# KiCad board modulo_puente_h-panel.kicad_pcb (continued)
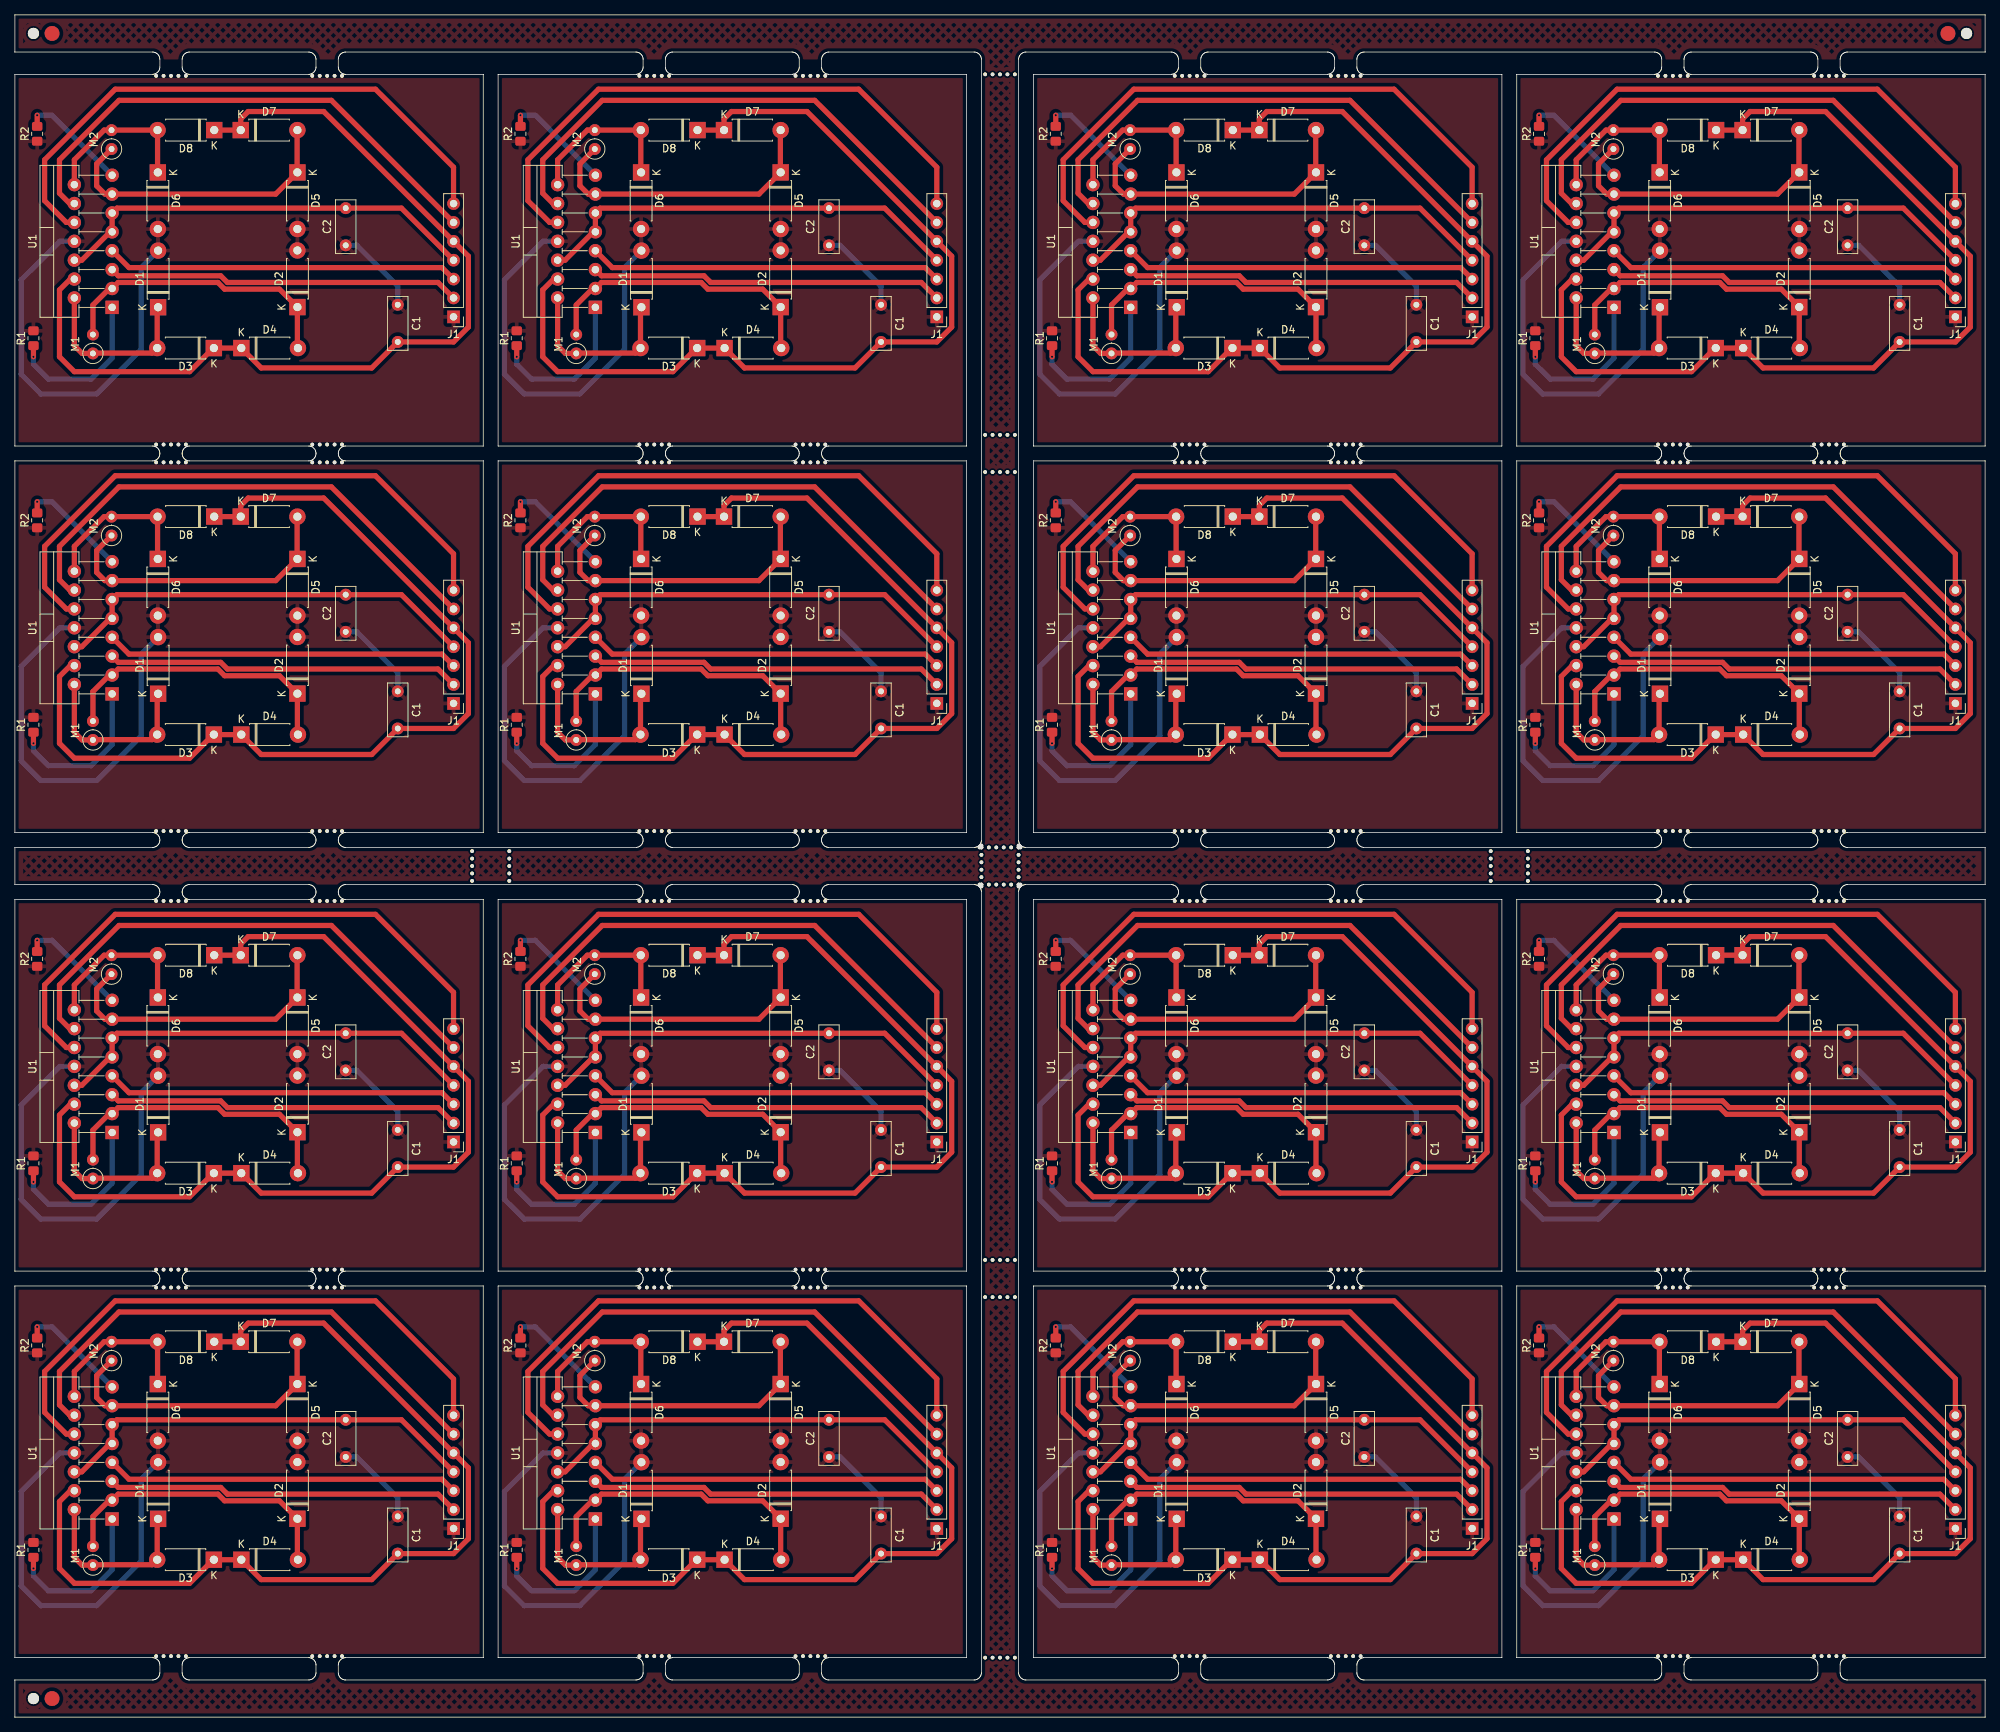
[diagram p0: board, top side]
## Routing (per net, layer and track width the routed paths; a pad name or vN(x,y) marks a point on that pad's centre or on a via; arc(x,y) is an arc through that point) (continued)
Board_1-+5V: length 58.3
  Top w0.7: J1#15.4 117,203 78.73,203 U1#10.11 U1#10.9 77.81,199.81 74,196 U1#10.6
Board_1-/Entrada 1 Motor A: length 47.6
  Top w0.7: U1#10.5 78.91,193.9 92.68,193.9 93.58,193 121.91,193 J1#15.2 123.91,191
Board_1-/Entrada 1 Motor B: length 79
  Top w0.7: U1#10.10 71.92,201.08 69,204 69,209.5 78.5,219 113.5,219 124,208.5 J1#15.7 123.88,203.5
Board_1-/Entrada 2 Motor A: length 47.5
  Top w0.7: U1#10.7 80.35,195 122.46,195 J1#15.3
Board_1-/Entrada 2 Motor B: length 70.2
  Top w0.7: J1#15.6 107.58,217.5 79,217.5 71,209.5 71,205 72.38,203.62 U1#10.12
Board_1-/Salida Regulador: length 125.8
  Top w0.7: U1#10.4 72.46,193.46 71,192 71,183 73,181 88.5,181 91.68,184.18 D3#9.1 D4#10.1 98.13,181.5 113,181.5 C1#12.2 124,185 126,187 126,196.54 J1#15.5 106.53,216 96.38,216 95.38,215 D7#11.1 D8.1
Board_1-GND: length 67.9
  Top w0.7: 123.88,188.5 J1#15.1
  Bottom w0.7: C1#12.1 116.5,192.5 111,198 C2#2.1 ; D1#5.2 82,195.03 82,184 76,178 68.5,178 65.85,180.65 65.85,193.35 71.04,198.54 U1#10.8
Board_1-Net-(D1-K): length 23.8
  Top w0.7: U1#10.2 73,184.5 74.04,183.46 M1#8.1 75.54,183.5 83.47,183.5 D3#9.2 84.15,189.55 D1#5.1
Board_1-Net-(D2-K): length 39.6
  Top w0.7: D4#10.2 103,184.25 D2#5.1 100.59,192.1 93.21,192.1 92.31,193 78.89,193 U1#10.3 77.72,192.19 75.5,189.97 M1#8.2
Board_1-Net-(D5-K): length 40.1
  Top w0.7: D7#11.2 102.96,213.46 102.96,207.77 100.08,204.89 U1#10.13 77.11,204.89 76,206 76,208.96 M2#16.1
Board_1-Net-(D6-K): length 21.9
  Top w0.7: U1#10.14 73,209.5 77,213.5 D8.2 84.19,207.85 D6#13.1
Board_1-Net-(U1-SENSE_A): length 21.9
  Top w0.7: v1(67.5,183) R1#3.1
  Bottom w0.7: U1#10.1 78.08,182.83 75.25,180 69.5,180 67.5,182 v1(67.5,183)
Board_1-Net-(U1-SENSE_B): length 14.9
  Top w0.7: v1(68,215.5) R2#2.2
  Bottom w0.7: v1(68,215.5) 70,215.5 78.07,207.43 U1#10.15
Board_2-+5V: length 58.3
  Top w0.7: U1#14.6 146,196 149.81,199.81 U1#14.9 U1#14.11 150.73,203 189,203 J1#10.4
Board_2-/Entrada 1 Motor A: length 47.6
  Top w0.7: U1#14.5 150.91,193.9 164.68,193.9 165.58,193 193.91,193 J1#10.2 195.91,191
Board_2-/Entrada 1 Motor B: length 79
  Top w0.7: U1#14.10 143.92,201.08 141,204 141,209.5 150.5,219 185.5,219 196,208.5 J1#10.7 195.88,203.5
Board_2-/Entrada 2 Motor A: length 47.5
  Top w0.7: U1#14.7 152.35,195 194.46,195 J1#10.3
Board_2-/Entrada 2 Motor B: length 70.2
  Top w0.7: J1#10.6 179.58,217.5 151,217.5 143,209.5 143,205 144.38,203.62 U1#14.12
Board_2-/Salida Regulador: length 125.8
  Top w0.7: U1#14.4 144.46,193.46 143,192 143,183 145,181 160.5,181 163.68,184.18 D3#2.1 D4#13.1 170.13,181.5 185,181.5 C1#4.2 196,185 198,187 198,196.54 J1#10.5 178.53,216 168.38,216 167.38,215 D7#8.1 D8#6.1
Board_2-GND: length 67.9
  Top w0.7: 195.88,188.5 J1#10.1
  Bottom w0.7: D1#15.2 154,195.03 154,184 148,178 140.5,178 137.85,180.65 137.85,193.35 143.04,198.54 U1#14.8 ; C1#4.1 188.5,192.5 183,198 C2#15.1
Board_2-Net-(D1-K): length 23.8
  Top w0.7: D1#15.1 156.15,189.55 D3#2.2 155.47,183.5 147.54,183.5 M1#12.1 146.04,183.46 145,184.5 U1#14.2
Board_2-Net-(D2-K): length 39.6
  Top w0.7: D4#13.2 175,184.25 D2#8.1 172.59,192.1 165.21,192.1 164.31,193 150.89,193 U1#14.3 149.72,192.19 147.5,189.97 M1#12.2
Board_2-Net-(D5-K): length 40.1
  Top w0.7: D7#8.2 174.96,213.46 174.96,207.77 172.08,204.89 U1#14.13 149.11,204.89 148,206 148,208.96 M2#8.1
Board_2-Net-(D6-K): length 21.9
  Top w0.7: U1#14.14 145,209.5 149,213.5 D8#6.2 156.19,207.85 D6#11.1
Board_2-Net-(U1-SENSE_A): length 21.9
  Top w0.7: v1(139.5,183) R1#5.1
  Bottom w0.7: U1#14.1 150.08,182.83 147.25,180 141.5,180 139.5,182 v1(139.5,183)
Board_2-Net-(U1-SENSE_B): length 14.9
  Top w0.7: v1(140,215.5) R2#16.2
  Bottom w0.7: U1#14.15 150.07,207.43 142,215.5 v1(140,215.5)
Board_3-+5V: length 58.3
  Top w0.7: U1#2.6 211,196 214.81,199.81 U1#2.9 U1#2.11 215.73,203 254,203 J1#7.4
Board_3-/Entrada 1 Motor A: length 47.6
  Top w0.7: U1#2.5 215.91,193.9 229.68,193.9 230.58,193 258.91,193 J1#7.2 260.91,191
Board_3-/Entrada 1 Motor B: length 79
  Top w0.7: U1#2.10 208.92,201.08 206,204 206,209.5 215.5,219 250.5,219 261,208.5 J1#7.7 260.88,203.5
Board_3-/Entrada 2 Motor A: length 47.5
  Top w0.7: J1#7.3 259.46,195 217.35,195 U1#2.7
Board_3-/Entrada 2 Motor B: length 70.2
  Top w0.7: U1#2.12 209.38,203.62 208,205 208,209.5 216,217.5 244.58,217.5 J1#7.6
Board_3-/Salida Regulador: length 125.8
  Top w0.7: D8#8.1 D7#15.1 232.38,215 233.38,216 243.53,216 J1#7.5 263,196.54 263,187 261,185 C1#8.2 250,181.5 235.13,181.5 D4#12.1 D3#15.1 228.68,184.18 225.5,181 210,181 208,183 208,192 209.46,193.46 U1#2.4
Board_3-GND: length 67.9
  Top w0.7: 260.88,188.5 J1#7.1
  Bottom w0.7: C1#8.1 253.5,192.5 248,198 C2#3.1 ; D1#4.2 219,195.03 219,184 213,178 205.5,178 202.85,180.65 202.85,193.35 208.04,198.54 U1#2.8
Board_3-Net-(D1-K): length 23.8
  Top w0.7: D1#4.1 221.15,189.55 D3#15.2 220.47,183.5 212.54,183.5 M1#7.1 211.04,183.46 210,184.5 U1#2.2
Board_3-Net-(D2-K): length 39.6
  Top w0.7: D4#12.2 240,184.25 D2#4.1 237.59,192.1 230.21,192.1 229.31,193 215.89,193 U1#2.3 214.72,192.19 212.5,189.97 M1#7.2
Board_3-Net-(D5-K): length 40.1
  Top w0.7: M2#7.1 213,208.96 213,206 214.11,204.89 U1#2.13 237.08,204.89 239.96,207.77 239.96,213.46 D7#15.2
Board_3-Net-(D6-K): length 21.9
  Top w0.7: D6#10.1 221.19,207.85 D8#8.2 214,213.5 210,209.5 U1#2.14
Board_3-Net-(U1-SENSE_A): length 21.9
  Top w0.7: v1(204.5,183) R1#9.1
  Bottom w0.7: U1#2.1 215.08,182.83 212.25,180 206.5,180 204.5,182 v1(204.5,183)
Board_3-Net-(U1-SENSE_B): length 14.9
  Top w0.7: v1(205,215.5) R2.2
  Bottom w0.7: v1(205,215.5) 207,215.5 215.07,207.43 U1#2.15
Board_4-+5V: length 58.3
  Top w0.7: U1#4.6 9,144 12.81,147.81 U1#4.9 U1#4.11 13.73,151 52,151 J1#9.4
Board_4-/Entrada 1 Motor A: length 47.6
  Top w0.7: U1#4.5 13.91,141.9 27.68,141.9 28.58,141 56.91,141 J1#9.2 58.91,139
Board_4-/Entrada 1 Motor B: length 79
  Top w0.7: U1#4.10 6.92,149.08 4,152 4,157.5 13.5,167 48.5,167 59,156.5 J1#9.7 58.88,151.5
Board_4-/Entrada 2 Motor A: length 47.5
  Top w0.7: U1#4.7 15.35,143 57.46,143 J1#9.3
Board_4-/Entrada 2 Motor B: length 70.2
  Top w0.7: J1#9.6 42.57,165.5 14,165.5 6,157.5 6,153 7.38,151.62 U1#4.12
Board_4-/Salida Regulador: length 125.8
  Top w0.7: D8#3.1 D7#3.1 30.38,163 31.38,164 41.54,164 J1#9.5 61,144.54 61,135 59,133 C1.2 48,129.5 33.13,129.5 D4#2.1 D3#11.1 26.68,132.18 23.5,129 8,129 6,131 6,140 7.46,141.46 U1#4.4
Board_4-GND: length 67.9
  Top w0.7: 58.88,136.5 J1#9.1
  Bottom w0.7: C2#16.1 46,146 51.5,140.5 C1.1 ; U1#4.8 6.04,146.54 0.85,141.35 0.85,128.65 3.5,126 11,126 17,132 17,143.03 D1#10.2
Board_4-Net-(D1-K): length 23.8
  Top w0.7: U1#4.2 8,132.5 9.05,131.46 M1#15.1 10.55,131.5 18.47,131.5 D3#11.2 19.15,137.55 D1#10.1
Board_4-Net-(D2-K): length 39.6
  Top w0.7: M1#15.2 10.5,137.97 12.72,140.19 U1#4.3 13.89,141 27.31,141 28.21,140.1 35.59,140.1 D2#9.1 38,132.25 D4#2.2
Board_4-Net-(D5-K): length 40.1
  Top w0.7: M2#11.1 11,156.96 11,154 12.11,152.89 U1#4.13 35.08,152.89 37.96,155.77 37.96,161.46 D7#3.2
Board_4-Net-(D6-K): length 21.9
  Top w0.7: U1#4.14 8,157.5 12,161.5 D8#3.2 19.19,155.85 D6#9.1
Board_4-Net-(U1-SENSE_A): length 21.9
  Top w0.7: v1(2.5,131) R1#4.1
  Bottom w0.7: v1(2.5,131) 2.5,130 4.5,128 10.25,128 13.08,130.83 U1#4.1
Board_4-Net-(U1-SENSE_B): length 14.9
  Top w0.7: v1(3,163.5) R2#13.2
  Bottom w0.7: U1#4.15 13.07,155.43 5,163.5 v1(3,163.5)
Board_5-+5V: length 58.3
  Top w0.7: U1#7.6 74,144 77.81,147.81 U1#7.9 U1#7.11 78.73,151 117,151 J1#16.4
Board_5-/Entrada 1 Motor A: length 47.6
  Top w0.7: U1#7.5 78.91,141.9 92.68,141.9 93.58,141 121.91,141 J1#16.2 123.91,139
Board_5-/Entrada 1 Motor B: length 79
  Top w0.7: 123.88,151.5 J1#16.7 124,156.5 113.5,167 78.5,167 69,157.5 69,152 71.92,149.08 U1#7.10
Board_5-/Entrada 2 Motor A: length 47.5
  Top w0.7: J1#16.3 122.46,143 80.35,143 U1#7.7
Board_5-/Entrada 2 Motor B: length 70.2
  Top w0.7: U1#7.12 72.38,151.62 71,153 71,157.5 79,165.5 107.58,165.5 J1#16.6
Board_5-/Salida Regulador: length 125.8
  Top w0.7: U1#7.4 72.46,141.46 71,140 71,131 73,129 88.5,129 91.68,132.18 D3#8.1 D4#4.1 98.13,129.5 113,129.5 C1#2.2 124,133 126,135 126,144.54 J1#16.5 106.53,164 96.38,164 95.38,163 D7.1 D8#2.1
Board_5-GND: length 67.9
  Top w0.7: 123.88,136.5 J1#16.1
  Bottom w0.7: U1#7.8 71.04,146.54 65.85,141.35 65.85,128.65 68.5,126 76,126 82,132 82,143.03 D1.2 ; C2#4.1 111,146 116.5,140.5 C1#2.1
Board_5-Net-(D1-K): length 23.8
  Top w0.7: U1#7.2 73,132.5 74.04,131.46 M1#13.1 75.54,131.5 83.47,131.5 D3#8.2 84.15,137.55 D1.1
Board_5-Net-(D2-K): length 39.6
  Top w0.7: D4#4.2 103,132.25 D2#14.1 100.59,140.1 93.21,140.1 92.31,141 78.89,141 U1#7.3 77.72,140.19 75.5,137.97 M1#13.2
Board_5-Net-(D5-K): length 40.1
  Top w0.7: D7.2 102.96,161.46 102.96,155.77 100.08,152.89 U1#7.13 77.11,152.89 76,154 76,156.96 M2#6.1
Board_5-Net-(D6-K): length 21.9
  Top w0.7: D6#7.1 84.19,155.85 D8#2.2 77,161.5 73,157.5 U1#7.14
Board_5-Net-(U1-SENSE_A): length 21.9
  Top w0.7: v1(67.5,131) R1#14.1
  Bottom w0.7: v1(67.5,131) 67.5,130 69.5,128 75.25,128 78.08,130.83 U1#7.1
Board_5-Net-(U1-SENSE_B): length 14.9
  Top w0.7: v1(68,163.5) R2#5.2
  Bottom w0.7: v1(68,163.5) 70,163.5 78.07,155.43 U1#7.15
Board_6-+5V: length 58.3
  Top w0.7: U1#13.6 146,144 149.81,147.81 U1#13.9 U1#13.11 150.73,151 189,151 J1#14.4
Board_6-/Entrada 1 Motor A: length 47.6
  Top w0.7: U1#13.5 150.91,141.9 164.68,141.9 165.58,141 193.91,141 J1#14.2 195.91,139
Board_6-/Entrada 1 Motor B: length 79
  Top w0.7: U1#13.10 143.92,149.08 141,152 141,157.5 150.5,167 185.5,167 196,156.5 J1#14.7 195.88,151.5
Board_6-/Entrada 2 Motor A: length 47.5
  Top w0.7: U1#13.7 152.35,143 194.46,143 J1#14.3
Board_6-/Entrada 2 Motor B: length 70.2
  Top w0.7: J1#14.6 179.58,165.5 151,165.5 143,157.5 143,153 144.38,151.62 U1#13.12
Board_6-/Salida Regulador: length 125.8
  Top w0.7: U1#13.4 144.46,141.46 143,140 143,131 145,129 160.5,129 163.68,132.18 D3#10.1 D4#14.1 170.13,129.5 185,129.5 C1#5.2 196,133 198,135 198,144.54 J1#14.5 178.53,164 168.38,164 167.38,163 D7#5.1 D8#7.1
Board_6-GND: length 67.9
  Top w0.7: 195.88,136.5 J1#14.1
  Bottom w0.7: D1#7.2 154,143.03 154,132 148,126 140.5,126 137.85,128.65 137.85,141.35 143.04,146.54 U1#13.8 ; C1#5.1 188.5,140.5 183,146 C2#8.1
Board_6-Net-(D1-K): length 23.8
  Top w0.7: D1#7.1 156.15,137.55 D3#10.2 155.47,131.5 147.54,131.5 M1#3.1 146.04,131.46 145,132.5 U1#13.2
Board_6-Net-(D2-K): length 39.6
  Top w0.7: M1#3.2 147.5,137.97 149.72,140.19 U1#13.3 150.89,141 164.31,141 165.21,140.1 172.59,140.1 D2#15.1 175,132.25 D4#14.2
Board_6-Net-(D5-K): length 40.1
  Top w0.7: D7#5.2 174.96,161.46 174.96,155.77 172.08,152.89 U1#13.13 149.11,152.89 148,154 148,156.96 M2#14.1
Board_6-Net-(D6-K): length 21.9
  Top w0.7: U1#13.14 145,157.5 149,161.5 D8#7.2 156.19,155.85 D6#2.1
Board_6-Net-(U1-SENSE_A): length 21.9
  Top w0.7: v1(139.5,131) R1#10.1
  Bottom w0.7: U1#13.1 150.08,130.83 147.25,128 141.5,128 139.5,130 v1(139.5,131)
Board_6-Net-(U1-SENSE_B): length 14.9
  Top w0.7: v1(140,163.5) R2#14.2
  Bottom w0.7: U1#13.15 150.07,155.43 142,163.5 v1(140,163.5)
Board_7-+5V: length 58.3
  Top w0.7: U1#12.6 211,144 214.81,147.81 U1#12.9 U1#12.11 215.73,151 254,151 J1#4.4
Board_7-/Entrada 1 Motor A: length 47.6
  Top w0.7: U1#12.5 215.91,141.9 229.68,141.9 230.58,141 258.91,141 J1#4.2 260.91,139
Board_7-/Entrada 1 Motor B: length 79
  Top w0.7: U1#12.10 208.92,149.08 206,152 206,157.5 215.5,167 250.5,167 261,156.5 J1#4.7 260.88,151.5
Board_7-/Entrada 2 Motor A: length 47.5
  Top w0.7: U1#12.7 217.35,143 259.46,143 J1#4.3
Board_7-/Entrada 2 Motor B: length 70.2
  Top w0.7: J1#4.6 244.58,165.5 216,165.5 208,157.5 208,153 209.38,151.62 U1#12.12
Board_7-/Salida Regulador: length 125.8
  Top w0.7: D8#4.1 D7#16.1 232.38,163 233.38,164 243.53,164 J1#4.5 263,144.54 263,135 261,133 C1#3.2 250,129.5 235.13,129.5 D4#8.1 D3.1 228.68,132.18 225.5,129 210,129 208,131 208,140 209.46,141.46 U1#12.4
Board_7-GND: length 67.9
  Top w0.7: 260.88,136.5 J1#4.1
  Bottom w0.7: C2#5.1 248,146 253.5,140.5 C1#3.1 ; D1#3.2 219,143.03 219,132 213,126 205.5,126 202.85,128.65 202.85,141.35 208.04,146.54 U1#12.8
Board_7-Net-(D1-K): length 23.8
  Top w0.7: D1#3.1 221.15,137.55 D3.2 220.47,131.5 212.54,131.5 M1#16.1 211.04,131.46 210,132.5 U1#12.2
Board_7-Net-(D2-K): length 39.6
  Top w0.7: D4#8.2 240,132.25 D2#6.1 237.59,140.1 230.21,140.1 229.31,141 215.89,141 U1#12.3 214.72,140.19 212.5,137.97 M1#16.2
Board_7-Net-(D5-K): length 40.1
  Top w0.7: D7#16.2 239.96,161.46 239.96,155.77 237.08,152.89 U1#12.13 214.11,152.89 213,154 213,156.96 M2#13.1
Board_7-Net-(D6-K): length 21.9
  Top w0.7: U1#12.14 210,157.5 214,161.5 D8#4.2 221.19,155.85 D6#12.1
Board_7-Net-(U1-SENSE_A): length 21.9
  Top w0.7: v1(204.5,131) R1#12.1
  Bottom w0.7: v1(204.5,131) 204.5,130 206.5,128 212.25,128 215.08,130.83 U1#12.1
Board_7-Net-(U1-SENSE_B): length 14.9
  Top w0.7: v1(205,163.5) R2#4.2
  Bottom w0.7: U1#12.15 215.07,155.43 207,163.5 v1(205,163.5)
Board_8-+5V: length 58.3
  Top w0.7: U1#9.6 9,85 12.81,88.81 U1#9.9 U1#9.11 13.73,92 52,92 J1.4
Board_8-/Entrada 1 Motor A: length 47.6
  Top w0.7: U1#9.5 13.91,82.9 27.68,82.9 28.58,82 56.91,82 J1.2 58.91,80
Board_8-/Entrada 1 Motor B: length 79
  Top w0.7: U1#9.10 6.92,90.08 4,93 4,98.5 13.5,108 48.5,108 59,97.5 J1.7 58.88,92.5
Board_8-/Entrada 2 Motor A: length 47.5
  Top w0.7: U1#9.7 15.35,84 57.46,84 J1.3
Board_8-/Entrada 2 Motor B: length 70.2
  Top w0.7: U1#9.12 7.38,92.62 6,94 6,98.5 14,106.5 42.57,106.5 J1.6
Board_8-/Salida Regulador: length 125.8
  Top w0.7: D8#13.1 D7#4.1 30.38,104 31.38,105 41.54,105 J1.5 61,85.54 61,76 59,74 C1#16.2 48,70.5 33.13,70.5 D4.1 D3#5.1 26.68,73.18 23.5,70 8,70 6,72 6,81 7.46,82.46 U1#9.4
Board_8-GND: length 67.9
  Top w0.7: 58.88,77.5 J1.1
  Bottom w0.7: D1#16.2 17,84.03 17,73 11,67 3.5,67 0.85,69.65 0.85,82.35 6.04,87.54 U1#9.8 ; C2#14.1 46,87 51.5,81.5 C1#16.1
Board_8-Net-(D1-K): length 23.8
  Top w0.7: U1#9.2 8,73.5 9.05,72.46 M1#6.1 10.55,72.5 18.47,72.5 D3#5.2 19.15,78.55 D1#16.1
Board_8-Net-(D2-K): length 39.6
  Top w0.7: D4.2 38,73.25 D2#3.1 35.59,81.1 28.21,81.1 27.31,82 13.89,82 U1#9.3 12.72,81.19 10.5,78.97 M1#6.2
Board_8-Net-(D5-K): length 40.1
  Top w0.7: D7#4.2 37.96,102.46 37.96,96.77 35.08,93.89 U1#9.13 12.11,93.89 11,95 11,97.96 M2#3.1
Board_8-Net-(D6-K): length 21.9
  Top w0.7: D6#14.1 19.19,96.85 D8#13.2 12,102.5 8,98.5 U1#9.14
Board_8-Net-(U1-SENSE_A): length 21.9
  Top w0.7: v1(2.5,72) R1#16.1
  Bottom w0.7: v1(2.5,72) 2.5,71 4.5,69 10.25,69 13.08,71.83 U1#9.1
Board_8-Net-(U1-SENSE_B): length 14.9
  Top w0.7: v1(3,104.5) R2#12.2
  Bottom w0.7: v1(3,104.5) 5,104.5 13.07,96.43 U1#9.15
Board_9-+5V: length 58.3
  Top w0.7: J1#5.4 117,92 78.73,92 U1#6.11 U1#6.9 77.81,88.81 74,85 U1#6.6
Board_9-/Entrada 1 Motor A: length 47.6
  Top w0.7: 123.91,80 J1#5.2 121.91,82 93.58,82 92.68,82.9 78.91,82.9 U1#6.5
Board_9-/Entrada 1 Motor B: length 79
  Top w0.7: 123.88,92.5 J1#5.7 124,97.5 113.5,108 78.5,108 69,98.5 69,93 71.92,90.08 U1#6.10
Board_9-/Entrada 2 Motor A: length 47.5
  Top w0.7: U1#6.7 80.35,84 122.46,84 J1#5.3
Board_9-/Entrada 2 Motor B: length 70.2
  Top w0.7: U1#6.12 72.38,92.62 71,94 71,98.5 79,106.5 107.58,106.5 J1#5.6
Board_9-/Salida Regulador: length 125.8
  Top w0.7: U1#6.4 72.46,82.46 71,81 71,72 73,70 88.5,70 91.68,73.18 D3#6.1 D4#11.1 98.13,70.5 113,70.5 C1#15.2 124,74 126,76 126,85.54 J1#5.5 106.53,105 96.38,105 95.38,104 D7#6.1 D8#16.1
Board_9-GND: length 67.9
  Top w0.7: 123.88,77.5 J1#5.1
  Bottom w0.7: U1#6.8 71.04,87.54 65.85,82.35 65.85,69.65 68.5,67 76,67 82,73 82,84.03 D1#13.2 ; C1#15.1 116.5,81.5 111,87 C2#10.1
Board_9-Net-(D1-K): length 23.8
  Top w0.7: D1#13.1 84.15,78.55 D3#6.2 83.47,72.5 75.54,72.5 M1#14.1 74.04,72.46 73,73.5 U1#6.2
Board_9-Net-(D2-K): length 39.6
  Top w0.7: M1#14.2 75.5,78.97 77.72,81.19 U1#6.3 78.89,82 92.31,82 93.21,81.1 100.59,81.1 D2#7.1 103,73.25 D4#11.2
Board_9-Net-(D5-K): length 40.1
  Top w0.7: M2#4.1 76,97.96 76,95 77.11,93.89 U1#6.13 100.08,93.89 102.96,96.77 102.96,102.46 D7#6.2
Board_9-Net-(D6-K): length 21.9
  Top w0.7: U1#6.14 73,98.5 77,102.5 D8#16.2 84.19,96.85 D6#5.1
Board_9-Net-(U1-SENSE_A): length 21.9
  Top w0.7: v1(67.5,72) R1#11.1
  Bottom w0.7: U1#6.1 78.08,71.83 75.25,69 69.5,69 67.5,71 v1(67.5,72)
Board_9-Net-(U1-SENSE_B): length 14.9
  Top w0.7: v1(68,104.5) R2#11.2
  Bottom w0.7: v1(68,104.5) 70,104.5 78.07,96.43 U1#6.15
Board_10-+5V: length 58.3
  Top w0.7: J1#2.4 189,92 150.73,92 U1#8.11 U1#8.9 149.81,88.81 146,85 U1#8.6
Board_10-/Entrada 1 Motor A: length 47.6
  Top w0.7: U1#8.5 150.91,82.9 164.68,82.9 165.58,82 193.91,82 J1#2.2 195.91,80
Board_10-/Entrada 1 Motor B: length 79
  Top w0.7: 195.88,92.5 J1#2.7 196,97.5 185.5,108 150.5,108 141,98.5 141,93 143.92,90.08 U1#8.10
Board_10-/Entrada 2 Motor A: length 47.5
  Top w0.7: U1#8.7 152.35,84 194.46,84 J1#2.3
Board_10-/Entrada 2 Motor B: length 70.2
  Top w0.7: U1#8.12 144.38,92.62 143,94 143,98.5 151,106.5 179.58,106.5 J1#2.6
Board_10-/Salida Regulador: length 125.8
  Top w0.7: D8#10.1 D7#9.1 167.38,104 168.38,105 178.53,105 J1#2.5 198,85.54 198,76 196,74 C1#6.2 185,70.5 170.13,70.5 D4#16.1 D3#13.1 163.68,73.18 160.5,70 145,70 143,72 143,81 144.46,82.46 U1#8.4
Board_10-GND: length 67.9
  Top w0.7: 195.88,77.5 J1#2.1
  Bottom w0.7: D1#2.2 154,84.03 154,73 148,67 140.5,67 137.85,69.65 137.85,82.35 143.04,87.54 U1#8.8 ; C1#6.1 188.5,81.5 183,87 C2.1
Board_10-Net-(D1-K): length 23.8
  Top w0.7: D1#2.1 156.15,78.55 D3#13.2 155.47,72.5 147.54,72.5 M1#9.1 146.04,72.46 145,73.5 U1#8.2
Board_10-Net-(D2-K): length 39.6
  Top w0.7: D4#16.2 175,73.25 D2#12.1 172.59,81.1 165.21,81.1 164.31,82 150.89,82 U1#8.3 149.72,81.19 147.5,78.97 M1#9.2
Board_10-Net-(D5-K): length 40.1
  Top w0.7: M2.1 148,97.96 148,95 149.11,93.89 U1#8.13 172.08,93.89 174.96,96.77 174.96,102.46 D7#9.2
Board_10-Net-(D6-K): length 21.9
  Top w0.7: D6#4.1 156.19,96.85 D8#10.2 149,102.5 145,98.5 U1#8.14
Board_10-Net-(U1-SENSE_A): length 21.9
  Top w0.7: v1(139.5,72) R1#13.1
  Bottom w0.7: U1#8.1 150.08,71.83 147.25,69 141.5,69 139.5,71 v1(139.5,72)
Board_10-Net-(U1-SENSE_B): length 14.9
  Top w0.7: v1(140,104.5) R2#7.2
  Bottom w0.7: U1#8.15 150.07,96.43 142,104.5 v1(140,104.5)
Board_11-+5V: length 58.3
  Top w0.7: U1#16.6 211,85 214.81,88.81 U1#16.9 U1#16.11 215.73,92 254,92 J1#8.4
Board_11-/Entrada 1 Motor A: length 47.6
  Top w0.7: 260.91,80 J1#8.2 258.91,82 230.58,82 229.68,82.9 215.91,82.9 U1#16.5
Board_11-/Entrada 1 Motor B: length 79
  Top w0.7: 260.88,92.5 J1#8.7 261,97.5 250.5,108 215.5,108 206,98.5 206,93 208.92,90.08 U1#16.10
Board_11-/Entrada 2 Motor A: length 47.5
  Top w0.7: J1#8.3 259.46,84 217.35,84 U1#16.7
Board_11-/Entrada 2 Motor B: length 70.2
  Top w0.7: J1#8.6 244.58,106.5 216,106.5 208,98.5 208,94 209.38,92.62 U1#16.12
Board_11-/Salida Regulador: length 125.8
  Top w0.7: U1#16.4 209.46,82.46 208,81 208,72 210,70 225.5,70 228.68,73.18 D3#12.1 D4#15.1 235.13,70.5 250,70.5 C1#7.2 261,74 263,76 263,85.54 J1#8.5 243.53,105 233.38,105 232.38,104 D7#12.1 D8#14.1
Board_11-GND: length 67.9
  Top w0.7: 260.88,77.5 J1#8.1
  Bottom w0.7: U1#16.8 208.04,87.54 202.85,82.35 202.85,69.65 205.5,67 213,67 219,73 219,84.03 D1#8.2 ; C2#9.1 248,87 253.5,81.5 C1#7.1
Board_11-Net-(D1-K): length 23.8
  Top w0.7: D1#8.1 221.15,78.55 D3#12.2 220.47,72.5 212.54,72.5 M1#2.1 211.04,72.46 210,73.5 U1#16.2
Board_11-Net-(D2-K): length 39.6
  Top w0.7: D4#15.2 240,73.25 D2#11.1 237.59,81.1 230.21,81.1 229.31,82 215.89,82 U1#16.3 214.72,81.19 212.5,78.97 M1#2.2
Board_11-Net-(D5-K): length 40.1
  Top w0.7: M2#15.1 213,97.96 213,95 214.11,93.89 U1#16.13 237.08,93.89 239.96,96.77 239.96,102.46 D7#12.2
Board_11-Net-(D6-K): length 21.9
  Top w0.7: D6#15.1 221.19,96.85 D8#14.2 214,102.5 210,98.5 U1#16.14
Board_11-Net-(U1-SENSE_A): length 21.9
  Top w0.7: v1(204.5,72) R1#7.1
  Bottom w0.7: U1#16.1 215.08,71.83 212.25,69 206.5,69 204.5,71 v1(204.5,72)
Board_11-Net-(U1-SENSE_B): length 14.9
  Top w0.7: v1(205,104.5) R2#3.2
  Bottom w0.7: v1(205,104.5) 207,104.5 215.07,96.43 U1#16.15
Board_12-+5V: length 58.3
  Top w0.7: J1#3.4 52,40 13.73,40 U1#11.11 U1#11.9 12.81,36.81 9,33 U1#11.6
Board_12-/Entrada 1 Motor A: length 47.6
  Top w0.7: 58.91,28 J1#3.2 56.91,30 28.58,30 27.68,30.9 13.91,30.9 U1#11.5
Board_12-/Entrada 1 Motor B: length 79
  Top w0.7: 58.88,40.5 J1#3.7 59,45.5 48.5,56 13.5,56 4,46.5 4,41 6.92,38.08 U1#11.10
Board_12-/Entrada 2 Motor A: length 47.5
  Top w0.7: U1#11.7 15.35,32 57.46,32 J1#3.3
Board_12-/Entrada 2 Motor B: length 70.2
  Top w0.7: J1#3.6 42.57,54.5 14,54.5 6,46.5 6,42 7.38,40.62 U1#11.12
Board_12-/Salida Regulador: length 125.8
  Top w0.7: U1#11.4 7.46,30.46 6,29 6,20 8,18 23.5,18 26.68,21.18 D3#14.1 D4#7.1 33.13,18.5 48,18.5 C1#10.2 59,22 61,24 61,33.54 J1#3.5 41.54,53 31.38,53 30.38,52 D7#13.1 D8#15.1
Board_12-GND: length 67.9
  Top w0.7: 58.88,25.5 J1#3.1
  Bottom w0.7: U1#11.8 6.04,35.54 0.85,30.35 0.85,17.65 3.5,15 11,15 17,21 17,32.03 D1#6.2 ; C2#12.1 46,35 51.5,29.5 C1#10.1
Board_12-Net-(D1-K): length 23.8
  Top w0.7: D1#6.1 19.15,26.55 D3#14.2 18.47,20.5 10.55,20.5 M1#11.1 9.05,20.46 8,21.5 U1#11.2
Board_12-Net-(D2-K): length 39.6
  Top w0.7: D4#7.2 38,21.25 D2#16.1 35.59,29.1 28.21,29.1 27.31,30 13.89,30 U1#11.3 12.72,29.19 10.5,26.97 M1#11.2
Board_12-Net-(D5-K): length 40.1
  Top w0.7: M2#9.1 11,45.96 11,43 12.11,41.89 U1#11.13 35.08,41.89 37.96,44.77 37.96,50.46 D7#13.2
Board_12-Net-(D6-K): length 21.9
  Top w0.7: U1#11.14 8,46.5 12,50.5 D8#15.2 19.19,44.85 D6#3.1
Board_12-Net-(U1-SENSE_A): length 21.9
  Top w0.7: v1(2.5,20) R1#6.1
  Bottom w0.7: U1#11.1 13.08,19.83 10.25,17 4.5,17 2.5,19 v1(2.5,20)
Board_12-Net-(U1-SENSE_B): length 14.9
  Top w0.7: v1(3,52.5) R2#15.2
  Bottom w0.7: U1#11.15 13.07,44.43 5,52.5 v1(3,52.5)
Board_13-+5V: length 58.3
  Top w0.7: J1#6.4 117,40 78.73,40 U1#5.11 U1#5.9 77.81,36.81 74,33 U1#5.6
Board_13-/Entrada 1 Motor A: length 47.6
  Top w0.7: 123.91,28 J1#6.2 121.91,30 93.58,30 92.68,30.9 78.91,30.9 U1#5.5
Board_13-/Entrada 1 Motor B: length 79
  Top w0.7: 123.88,40.5 J1#6.7 124,45.5 113.5,56 78.5,56 69,46.5 69,41 71.92,38.08 U1#5.10
Board_13-/Entrada 2 Motor A: length 47.5
  Top w0.7: J1#6.3 122.46,32 80.35,32 U1#5.7
Board_13-/Entrada 2 Motor B: length 70.2
  Top w0.7: U1#5.12 72.38,40.62 71,42 71,46.5 79,54.5 107.58,54.5 J1#6.6
Board_13-/Salida Regulador: length 125.8
  Top w0.7: D8#12.1 D7#7.1 95.38,52 96.38,53 106.53,53 J1#6.5 126,33.54 126,24 124,22 C1#13.2 113,18.5 98.13,18.5 D4#9.1 D3#16.1 91.68,21.18 88.5,18 73,18 71,20 71,29 72.46,30.46 U1#5.4
Board_13-GND: length 67.9
  Top w0.7: 123.88,25.5 J1#6.1
  Bottom w0.7: C2#6.1 111,35 116.5,29.5 C1#13.1 ; U1#5.8 71.04,35.54 65.85,30.35 65.85,17.65 68.5,15 76,15 82,21 82,32.03 D1#9.2
Board_13-Net-(D1-K): length 23.8
  Top w0.7: D1#9.1 84.15,26.55 D3#16.2 83.47,20.5 75.54,20.5 M1#5.1 74.04,20.46 73,21.5 U1#5.2
Board_13-Net-(D2-K): length 39.6
  Top w0.7: D4#9.2 103,21.25 D2.1 100.59,29.1 93.21,29.1 92.31,30 78.89,30 U1#5.3 77.72,29.19 75.5,26.97 M1#5.2
Board_13-Net-(D5-K): length 40.1
  Top w0.7: M2#10.1 76,45.96 76,43 77.11,41.89 U1#5.13 100.08,41.89 102.96,44.77 102.96,50.46 D7#7.2
Board_13-Net-(D6-K): length 21.9
  Top w0.7: D6#16.1 84.19,44.85 D8#12.2 77,50.5 73,46.5 U1#5.14
Board_13-Net-(U1-SENSE_A): length 21.9
  Top w0.7: v1(67.5,20) R1#15.1
  Bottom w0.7: v1(67.5,20) 67.5,19 69.5,17 75.25,17 78.08,19.83 U1#5.1
Board_13-Net-(U1-SENSE_B): length 14.9
  Top w0.7: v1(68,52.5) R2#6.2
  Bottom w0.7: U1#5.15 78.07,44.43 70,52.5 v1(68,52.5)
Board_14-+5V: length 58.3
  Top w0.7: U1.6 146,33 149.81,36.81 U1.9 U1.11 150.73,40 189,40 J1#12.4
Board_14-/Entrada 1 Motor A: length 47.6
  Top w0.7: U1.5 150.91,30.9 164.68,30.9 165.58,30 193.91,30 J1#12.2 195.91,28
Board_14-/Entrada 1 Motor B: length 79
  Top w0.7: 195.88,40.5 J1#12.7 196,45.5 185.5,56 150.5,56 141,46.5 141,41 143.92,38.08 U1.10
Board_14-/Entrada 2 Motor A: length 47.5
  Top w0.7: U1.7 152.35,32 194.46,32 J1#12.3
Board_14-/Entrada 2 Motor B: length 70.2
  Top w0.7: J1#12.6 179.58,54.5 151,54.5 143,46.5 143,42 144.38,40.62 U1.12
Board_14-/Salida Regulador: length 125.8
  Top w0.7: D8#5.1 D7#10.1 167.38,52 168.38,53 178.53,53 J1#12.5 198,33.54 198,24 196,22 C1#14.2 185,18.5 170.13,18.5 D4#3.1 D3#4.1 163.68,21.18 160.5,18 145,18 143,20 143,29 144.46,30.46 U1.4
Board_14-GND: length 67.9
  Top w0.7: 195.88,25.5 J1#12.1
  Bottom w0.7: C2#11.1 183,35 188.5,29.5 C1#14.1 ; D1#11.2 154,32.03 154,21 148,15 140.5,15 137.85,17.65 137.85,30.35 143.04,35.54 U1.8
Board_14-Net-(D1-K): length 23.8
  Top w0.7: D1#11.1 156.15,26.55 D3#4.2 155.47,20.5 147.54,20.5 M1#4.1 146.04,20.46 145,21.5 U1.2
Board_14-Net-(D2-K): length 39.6
  Top w0.7: D4#3.2 175,21.25 D2#2.1 172.59,29.1 165.21,29.1 164.31,30 150.89,30 U1.3 149.72,29.19 147.5,26.97 M1#4.2
Board_14-Net-(D5-K): length 40.1
  Top w0.7: M2#5.1 148,45.96 148,43 149.11,41.89 U1.13 172.08,41.89 174.96,44.77 174.96,50.46 D7#10.2
Board_14-Net-(D6-K): length 21.9
  Top w0.7: U1.14 145,46.5 149,50.5 D8#5.2 156.19,44.85 D6#8.1
Board_14-Net-(U1-SENSE_A): length 21.9
  Top w0.7: v1(139.5,20) R1.1
  Bottom w0.7: v1(139.5,20) 139.5,19 141.5,17 147.25,17 150.08,19.83 U1.1
Board_14-Net-(U1-SENSE_B): length 14.9
  Top w0.7: v1(140,52.5) R2#10.2
  Bottom w0.7: v1(140,52.5) 142,52.5 150.07,44.43 U1.15
Board_15-+5V: length 58.3
  Top w0.7: J1#13.4 254,40 215.73,40 U1#15.11 U1#15.9 214.81,36.81 211,33 U1#15.6
Board_15-/Entrada 1 Motor A: length 47.6
  Top w0.7: 260.91,28 J1#13.2 258.91,30 230.58,30 229.68,30.9 215.91,30.9 U1#15.5
Board_15-/Entrada 1 Motor B: length 79
  Top w0.7: 260.88,40.5 J1#13.7 261,45.5 250.5,56 215.5,56 206,46.5 206,41 208.92,38.08 U1#15.10
Board_15-/Entrada 2 Motor A: length 47.5
  Top w0.7: U1#15.7 217.35,32 259.46,32 J1#13.3
Board_15-/Entrada 2 Motor B: length 70.2
  Top w0.7: U1#15.12 209.38,40.62 208,42 208,46.5 216,54.5 244.58,54.5 J1#13.6
Board_15-/Salida Regulador: length 125.8
  Top w0.7: U1#15.4 209.46,30.46 208,29 208,20 210,18 225.5,18 228.68,21.18 D3#7.1 D4#6.1 235.13,18.5 250,18.5 C1#11.2 261,22 263,24 263,33.54 J1#13.5 243.53,53 233.38,53 232.38,52 D7#14.1 D8#11.1
Board_15-GND: length 67.9
  Top w0.7: 260.88,25.5 J1#13.1
  Bottom w0.7: C2#7.1 248,35 253.5,29.5 C1#11.1 ; D1#14.2 219,32.03 219,21 213,15 205.5,15 202.85,17.65 202.85,30.35 208.04,35.54 U1#15.8
Board_15-Net-(D1-K): length 23.8
  Top w0.7: U1#15.2 210,21.5 211.04,20.46 M1.1 212.54,20.5 220.47,20.5 D3#7.2 221.15,26.55 D1#14.1
Board_15-Net-(D2-K): length 39.6
  Top w0.7: D4#6.2 240,21.25 D2#10.1 237.59,29.1 230.21,29.1 229.31,30 215.89,30 U1#15.3 214.72,29.19 212.5,26.97 M1.2
Board_15-Net-(D5-K): length 40.1
  Top w0.7: D7#14.2 239.96,50.46 239.96,44.77 237.08,41.89 U1#15.13 214.11,41.89 213,43 213,45.96 M2#2.1
Board_15-Net-(D6-K): length 21.9
  Top w0.7: U1#15.14 210,46.5 214,50.5 D8#11.2 221.19,44.85 D6#6.1
Board_15-Net-(U1-SENSE_A): length 21.9
  Top w0.7: v1(204.5,20) R1#8.1
  Bottom w0.7: v1(204.5,20) 204.5,19 206.5,17 212.25,17 215.08,19.83 U1#15.1
Board_15-Net-(U1-SENSE_B): length 14.9
  Top w0.7: v1(205,52.5) R2#9.2
  Bottom w0.7: v1(205,52.5) 207,52.5 215.07,44.43 U1#15.15

## Copper pours and planes (outline as drawn; the poured copper is in the pictures)
(no net) on Top: 0.5,224.5 18.5,224.5 20,223 22,223 23.5,224.5 39.5,224.5 41,223 43,223 44.5,224.5 83.5,224.5 85,223 87,223 88.5,224.5 104.5,224.5 106,223 108,223 109.5,224.5 129,224.5 130.5,223 130.5,118 129,116.5 109.5,116.5 108.38,117 105.62,117 104.5,116.5 88.5,116.5 87.38,117 84.62,117 83.5,116.5 44.5,116.5 43.38,117 40.62,117 39.5,116.5 23.5,116.5 22.38,117 19.62,117 18.5,116.5 0.5,116.5 0.5,112.5 18.5,112.5 19.62,112 22.38,112 23.5,112.5 39.5,112.5 40.62,112 43.38,112 44.5,112.5 83.5,112.5 84.62,112 87.38,112 88.5,112.5 104.5,112.5 105.62,112 108.38,112 109.5,112.5 129,112.5 130.5,111 130.5,6 129,4.5 109.5,4.5 108,6 106,6 104.5,4.5 88.5,4.5 87,6 85,6 83.5,4.5 44.5,4.5 43,6 41,6 39.5,4.5 23.5,4.5 22,6 20,6 18.5,4.5 0.5,4.5 0.5,0.5 264.5,0.5 264.5,4.5 246.5,4.5 245,6 243,6 241.5,4.5 225.5,4.5 224,6 222,6 220.5,4.5 181.5,4.5 180,6 178,6 176.5,4.5 160.5,4.5 159,6 157,6 155.5,4.5 136,4.5 134.5,6 134.5,111 136,112.5 155.5,112.5 156.62,112 159.38,112 160.5,112.5 176.5,112.5 177.62,112 180.38,112 181.5,112.5 220.5,112.5 221.62,112 224.38,112 225.5,112.5 241.5,112.5 242.62,112 245.38,112 246.5,112.5 264.5,112.5 264.5,116.5 246.5,116.5 245.38,117 242.62,117 241.5,116.5 225.5,116.5 224.38,117 221.62,117 220.5,116.5 181.5,116.5 180.38,117 177.62,117 176.5,116.5 160.5,116.5 159.38,117 156.62,117 155.5,116.5 136,116.5 134.5,118 134.5,223 136,224.5 155.5,224.5 157,223 159,223 160.5,224.5 176.5,224.5 178,223 180,223 181.5,224.5 220.5,224.5 222,223 224,223 225.5,224.5 241.5,224.5 243,223 245,223 246.5,224.5 264.5,224.5 264.5,228.5 0.5,228.5
(no net) on Bottom: 0.5,224.5 18.5,224.5 20,223 22,223 23.5,224.5 39.5,224.5 41,223 43,223 44.5,224.5 83.5,224.5 85,223 87,223 88.5,224.5 104.5,224.5 106,223 108,223 109.5,224.5 129,224.5 130.5,223 130.5,118 129,116.5 109.5,116.5 108.38,117 105.62,117 104.5,116.5 88.5,116.5 87.38,117 84.62,117 83.5,116.5 44.5,116.5 43.38,117 40.62,117 39.5,116.5 23.5,116.5 22.38,117 19.62,117 18.5,116.5 0.5,116.5 0.5,112.5 18.5,112.5 19.62,112 22.38,112 23.5,112.5 39.5,112.5 40.62,112 43.38,112 44.5,112.5 83.5,112.5 84.62,112 87.38,112 88.5,112.5 104.5,112.5 105.62,112 108.38,112 109.5,112.5 129,112.5 130.5,111 130.5,6 129,4.5 109.5,4.5 108,6 106,6 104.5,4.5 88.5,4.5 87,6 85,6 83.5,4.5 44.5,4.5 43,6 41,6 39.5,4.5 23.5,4.5 22,6 20,6 18.5,4.5 0.5,4.5 0.5,0.5 264.5,0.5 264.5,4.5 246.5,4.5 245,6 243,6 241.5,4.5 225.5,4.5 224,6 222,6 220.5,4.5 181.5,4.5 180,6 178,6 176.5,4.5 160.5,4.5 159,6 157,6 155.5,4.5 136,4.5 134.5,6 134.5,111 136,112.5 155.5,112.5 156.62,112 159.38,112 160.5,112.5 176.5,112.5 177.62,112 180.38,112 181.5,112.5 220.5,112.5 221.62,112 224.38,112 225.5,112.5 241.5,112.5 242.62,112 245.38,112 246.5,112.5 264.5,112.5 264.5,116.5 246.5,116.5 245.38,117 242.62,117 241.5,116.5 225.5,116.5 224.38,117 221.62,117 220.5,116.5 181.5,116.5 180.38,117 177.62,117 176.5,116.5 160.5,116.5 159.38,117 156.62,117 155.5,116.5 136,116.5 134.5,118 134.5,223 136,224.5 155.5,224.5 157,223 159,223 160.5,224.5 176.5,224.5 178,223 180,223 181.5,224.5 220.5,224.5 222,223 224,223 225.5,224.5 241.5,224.5 243,223 245,223 246.5,224.5 264.5,224.5 264.5,228.5 0.5,228.5
Board_0-GND on Top: -4,224 65.5,224 65.5,167 -4,167
Board_1-GND on Top: 61,224 130.5,224 130.5,167 61,167
Board_2-GND on Top: 133,224 202.5,224 202.5,167 133,167
Board_3-GND on Top: 198,224 267.5,224 267.5,167 198,167
Board_4-GND on Top: -4,172 65.5,172 65.5,115 -4,115
Board_5-GND on Top: 61,172 130.5,172 130.5,115 61,115
Board_6-GND on Top: 133,172 202.5,172 202.5,115 133,115
Board_7-GND on Top: 198,172 267.5,172 267.5,115 198,115
Board_8-GND on Top: -4,113 65.5,113 65.5,56 -4,56
Board_9-GND on Top: 61,113 130.5,113 130.5,56 61,56
Board_10-GND on Top: 133,113 202.5,113 202.5,56 133,56
Board_11-GND on Top: 198,113 267.5,113 267.5,56 198,56
Board_12-GND on Top: -4,61 65.5,61 65.5,4 -4,4
Board_13-GND on Top: 61,61 130.5,61 130.5,4 61,4
Board_14-GND on Top: 133,61 202.5,61 202.5,4 133,4
Board_15-GND on Top: 198,61 267.5,61 267.5,4 198,4
